# Altium PCB PCB1.PcbDoc
Units mil, origin at the board's own origin, x right, y up, seen from the top; angles counter-clockwise.
Board outline 2055 x 3030 mil, 2 copper layers (Top Layer, Bottom Layer); 48 components, 36 nets, 177 pads, 48 vias.
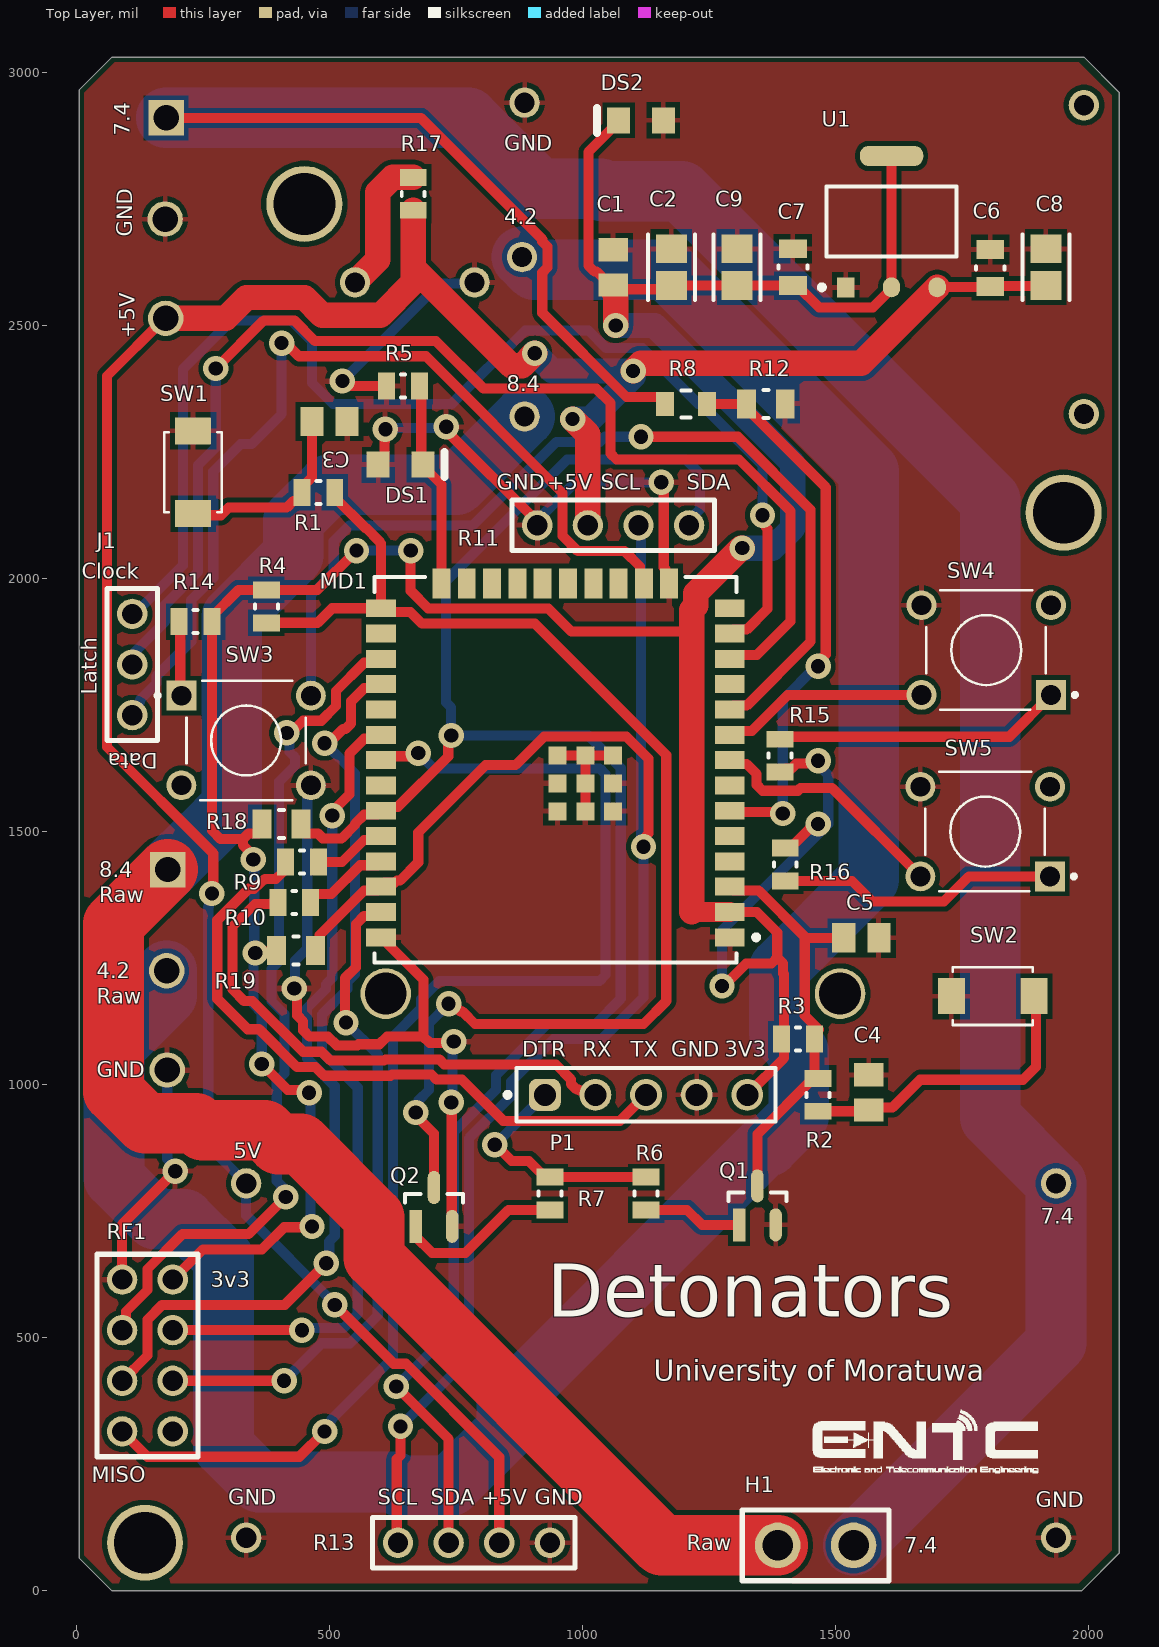
[diagram p0: Top Layer view]
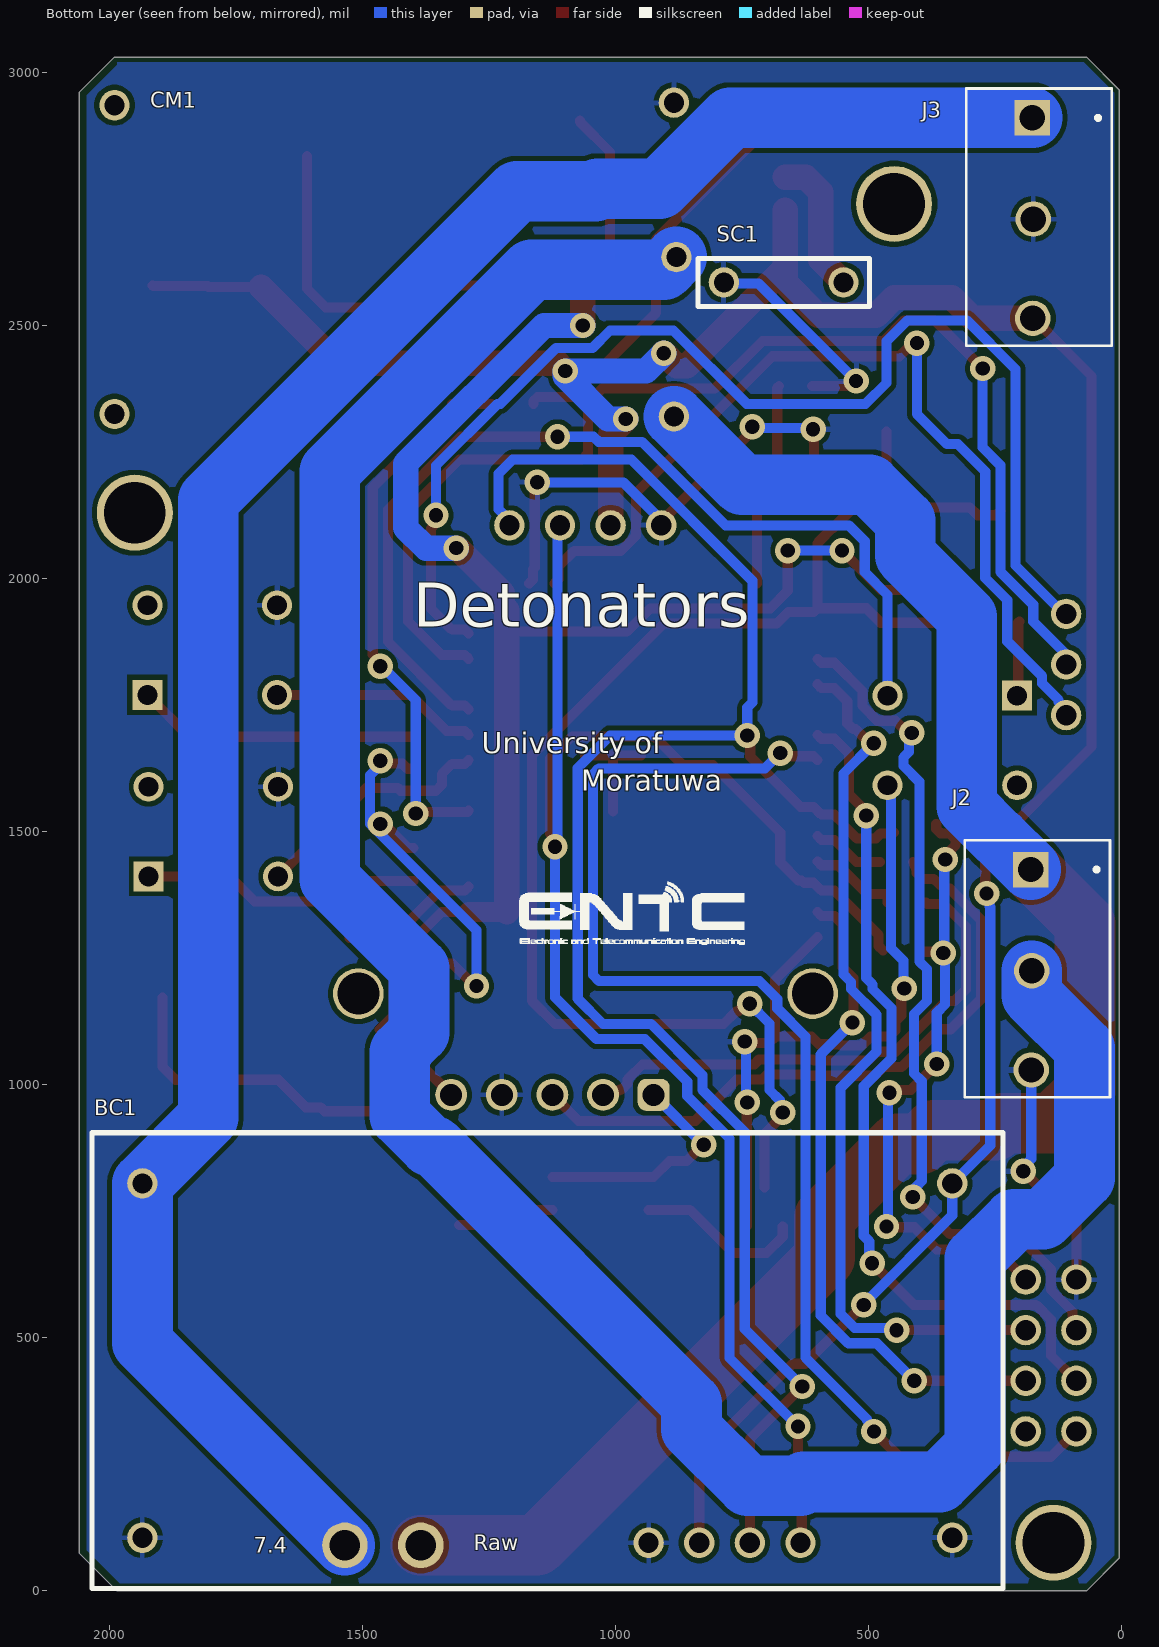
[diagram p1: Bottom Layer view, seen from below]
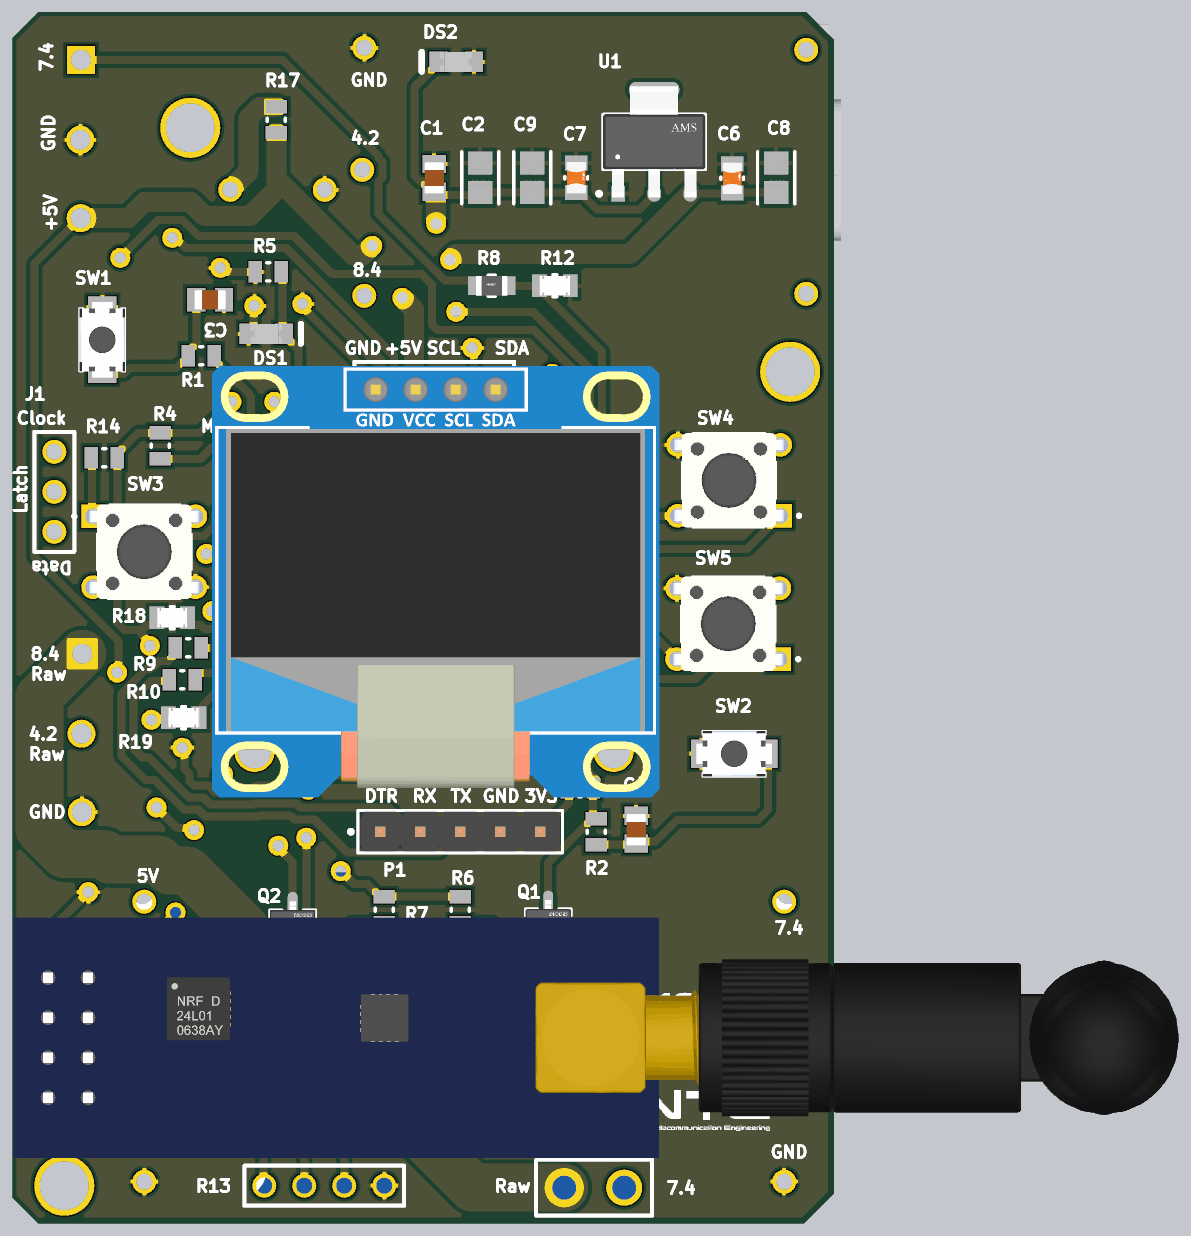
[diagram p2: 3D render of the assembled board from above, using the file's embedded part models]
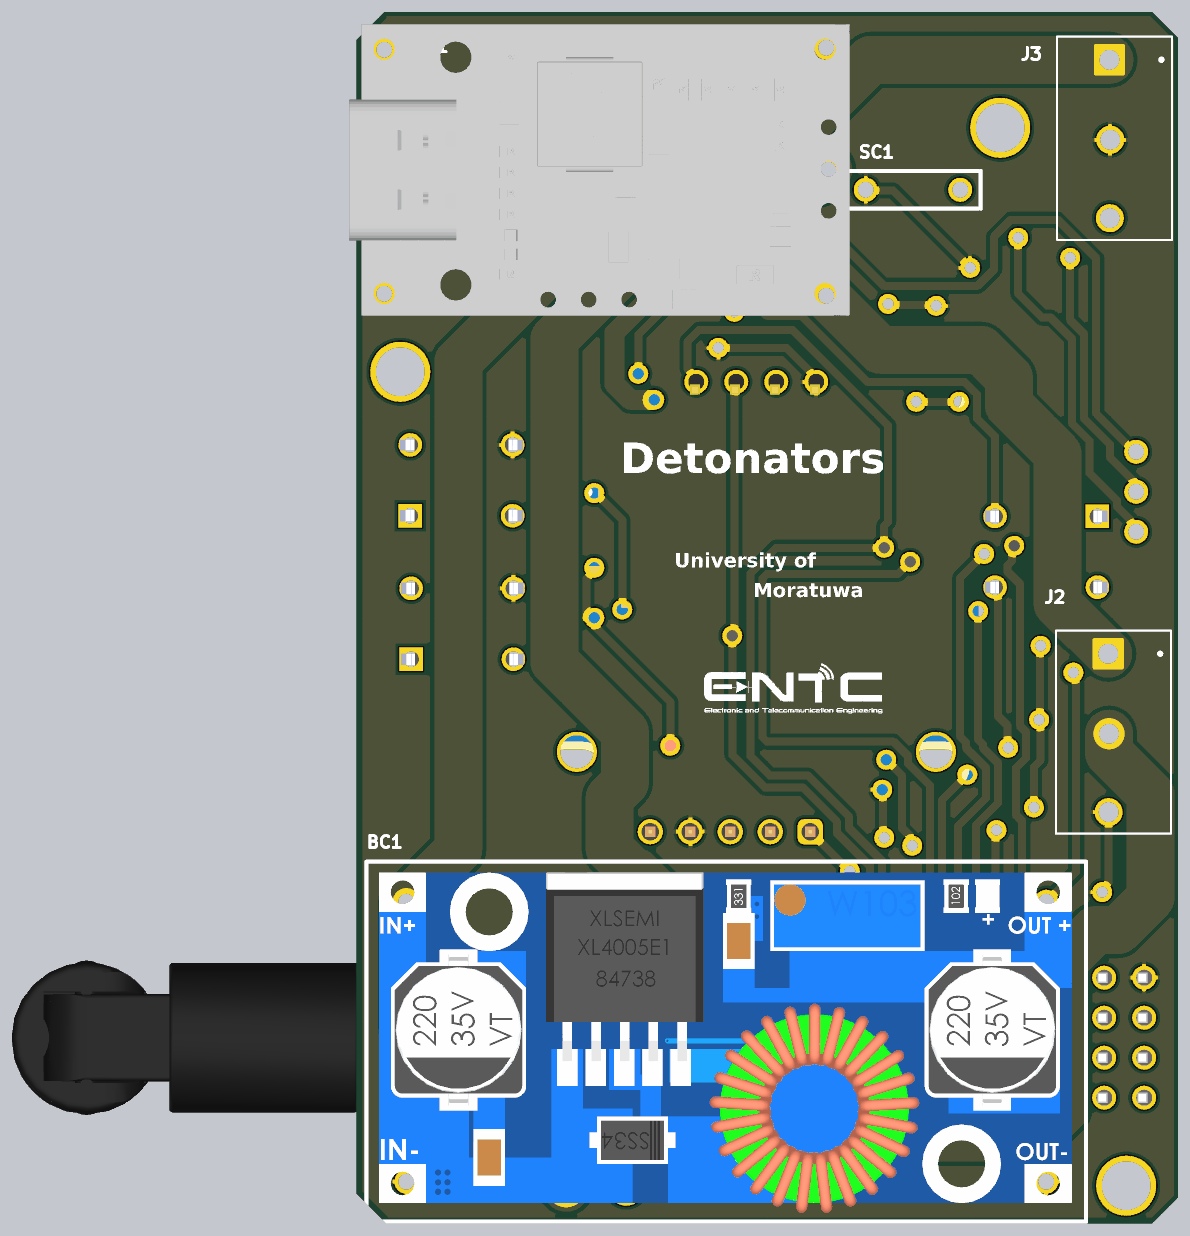
[diagram p3: 3D render of the assembled board from below, using the file's embedded part models]

## Layer stack, top to bottom
Top Solder: solder mask 0.4, Solder Resist, Dk 3.5
Top Layer: signal copper 1.4
Dielectric 1: dielectric 12.6, FR-4, Dk 4.8
Bottom Layer: signal copper 1.4
Bottom Solder: solder mask 0.4, Solder Resist, Dk 3.5

## Board outline
5,65 5,2965 70,3030 1990,3030 2060,2960 2060,75 1985,0 70,0

## Design rules (kind name [scope] priority, off if disabled: settings)
Clearance [All] p1: gap=10 ignorepadtopadclearanceinfootprint=TRUE except(8: Fill-Hole Poly-Hole Region-Hole)
Height [All] p1: minheight=0 maxheight=10000 prefheight=500
HoleSize [All] p1: absolutevalues=TRUE maxlimit=125.98 minlimit=0.98 maxpercent=80.000 minpercent=20.000
PolygonConnect [All] p1: connectstyle=Relief reliefconductorwidth=10 reliefentries=4 polygonreliefangle="90 Angle" airgapwidth=10
RoutingVias [All] p1: holewidth=28 width=50 viastyle="Through Hole" minholewidth=28 minwidth=50 maxholewidth=28 maxwidth=50
SilkToSolderMaskClearance [IsPad] p1: minsilkscreentomaskgap=7 clearancetoexposedcopper=TRUE
SolderMaskExpansion [All] p1: expansion=4 istentingtop=FALSE
SupplyNets "Schematic Supply Nets_5" [InNet('+3.3')] p1: voltage=0.000
SupplyNets "Schematic Supply Nets_4" [InNet('8.4 Raw')] p2: voltage=0.000
SupplyNets "Schematic Supply Nets_3" [InNet('+5')] p3: voltage=0.000
SupplyNets "Schematic Supply Nets_2" [InNet('GND')] p4: voltage=0.000
SupplyNets "Schematic Supply Nets_1" [InNet('+7.4')] p5: voltage=0.000
SupplyNets "Schematic Supply Nets" [InNet('4.2 Raw')] p6: voltage=0.000
Width [All] p1: maxlimit=120 minlimit=10 preferedwidth=50 minimp=50.000000 maximp=50.000000 favimp=50.000000
27 further rules are at their usual default settings.

## Components (designator, comment, footprint, x,y, rotation, side; value= is the part's Value field where it differs from the comment)
BC1 "Buck Converter" "Buck Converter" 1935,805 r180 bottom locked
C1 "100 uF" "0805 CAP" 1060,2614.75 r270 top
C2 "1 uF" FP-CL21-IPC_A 1175,2615 r90 top
C3 "1 nF" "0805 CAP" 499.65,2310 r180 top
C4 "1 nF" "0805 CAP" 1565,985 r270 top
C5 "1 nF" "0805 CAP" 1550.32,1290 r180 top
C6 "0.1 uF" FP-CC0805-0_85-MFG 1805,2613.58 r90 top value="100 nF"
C7 "0.1 uF" FP-CC0805-0_85-MFG 1415,2615 r90 top value="100 nF"
C8 "10 uF" FP-CL21-IPC_A 1915,2615 r90 top
C9 "10 uF" FP-CL21-IPC_A 1305,2615 r90 top
CM1 "Charging Module" "2S Charging Module" 820,2630 r0 bottom locked
DS1 "Green LED" DIAL-0805-2_V 640,2225 r180 top
DS2 "Power LED" DIAL-0805-2_V 1115,2905 r0 top
H1 "Power Switch Connection" "2 Pin Header L" 1385,90 r0 top
J1 "595 connection" "3 pin header" 110,1730 r180 top
J2 "Battery Direct Connection" "3 pin connector" 175,1240 r270 bottom
J3 "3 pin connector" "3 pin connector" 172,2725 r270 bottom
MD1 "ESP32-WROOM-32U (16MB)" FP-ESP32-WROOM-32U_16MB-MFG 945.94,1622.28 r180 top locked
P1 "61300511121" 61300511121 1125,980 r0 top
Q1 "S8050" FP-SOT23-IPC_A 1345,761.55 r90 top
Q2 "S8050" FP-SOT23-IPC_A 706.02,758.45 r90 top
R1 "470R" RESC2013X50X30LL20T20 477.48,2170 r180 top
R2 "470R" RESC2013X50X30LL20T20 1465,980 r270 top
R3 "12K" RESC2013X50X30LL20T20 1425,1090 r0 top
R4 "5.1K" RESC2013X50X30LL20T20 375,1945 r270 top
R5 "5.1K" RESC2013X50X30LL20T20 645,2380 r0 top
R6 "1K" RESC2013X50X30LL20T20 1125,785 r270 top
R7 "1K" RESC2013X50X30LL20T20 935,785 r270 top
R8 "100K" FP-RC0805-0_6-MFG 1203.66,2345 r0 top
R9 "470R" RESC2013X50X30LL20T20 445,1440 r180 top
R10 "470R" RESC2013X50X30LL20T20 430,1360 r180 top
R11 "OLED" OLED 910,2105 r90 top
R12 "47K" FP-CRCW0805-e3-MFG 1361.61,2345 r0 top
R13 "RTC" RTC 635,95 r90 top
R14 "12K" RESC2013X50X30LL20T20 235,1915 r0 top
R15 "12K" RESC2013X50X30LL20T20 1390,1650 r270 top
R16 "12K" RESC2013X50X30LL20T20 1400,1435 r90 top
R17 "10R" RESC2013X50X30LL20T20 665,2760 r270 top
R18 "47K" FP-CRCW0805-e3-MFG 405,1515 r0 top
R19 "47K" FP-CRCW0805-e3-MFG 433.39,1265 r0 top
RF1 "NRF2401" NRF2401 90,615 r0 top locked
SC1 "Super Capacitor" "Super Capacitor" 550,2585 r0 bottom
SW1 "SW" "smd push button 2" 230,2210 r90 top
SW2 "SW" "smd push button 2" 1810,1175 r180 top
SW3 "Long pushbutton" "TH PB" 335,1680 r0 top
SW4 "Long pushbutton" "TH PB" 1797.05,1858.58 r180 top
SW5 "Long pushbutton" "TH PB" 1795,1500 r180 top
U1 "AMS1117-3.3" FP-AMS1117-IPC_C 1610,2705 r90 top

## Footprints (in the part's own frame and the unit in brackets; to place one, negate y for a bottom-side part, rotate by r counter-clockwise, add the part's x,y. Pads: shape width x height; smd on the part's side, far side on the other; paste and mask are expansions set on the pad)
"2 Pin Header L" [mil]
  round 90 hole 60: 1(0,0) 2(150,0)
  silkscreen extent -70,-70 220,70
"2S Charging Module" [mil]
  round 60 hole 40: 1(65,310) 2(60,-5) 3(65,-310) 4(1170,-305) 5(1170,305)
  body extent 6,-369 1257,360, height 166
"3 pin connector" [mil]
  rect 70x70 hole 50: 1(-185,-5)
  round 70 hole 50: 2(15,-3) 3(211,-4)
  silkscreen extent -243,-136 265,152, body extent -282,-172 320,136, height 394
"3 pin header" [mil]
  round 60 hole 40: 1(0,0) 2(0,-100) 3(0,-200)
  silkscreen extent -50,-250 50,50
"0805 CAP" [mm]
  rect 1.16x1.47 smd: 1(-0.88,0) 2(0.88,0)
  body extent -1,-0.63 1,0.63, height 0.94
61300511121 [mm] "Pin Header, pitch 2.54 mm, THT, Vertical, single row, 5p"
  rrect50% 1.6x1.6 hole 1.1: 1(-5.08,0)
  round 1.6 hole 1.1: 2(-2.54,0) 3(0,0) 4(2.54,0) 5(5.08,0)
  silkscreen extent -7.07,-1.35 6.5,1.35, body extent -6.35,-1.27 6.35,1.27, height 8.57
"Buck Converter" [mil]
  round 60 hole 40: 1(0,0) 2(0,-700) 3(1600,0) 4(1600,-700)
  silkscreen extent -100,-800 1700,100, body extent -68,-778 1664,74, height 569
DIAL-0805-2_V [mm] "LED, 2-Leads, Body 2x1.25mm"
  rect 1.15x1.3 smd: 1(-1.125,0) 2(1.125,0)
  silkscreen extent -2.2,-0.63 -2.2,0.63, body extent -1.03,-0.63 1.03,0.64, height 0.71
FP-AMS1117-IPC_C [mm]
  rect 1.004x0.872 smd paste+0 mask+0: 1(-3.295,2.29)
  rrect100% 1.004x0.872 smd paste+0 mask+0: 2(-3.295,0) 3(-3.295,-2.29)
  rrect87% 1.004x3.182 smd paste+0 mask+0: 4(3.295,0)
  silkscreen extent -3.42,-3.25 1.75,3.62, body extent -3.9,-3.35 3.9,3.35, height 0.25
FP-CC0805-0_85-MFG [mm]
  rect 0.95x1.4 smd paste+0 mask+0: 1(-0.925,0) 2(0.925,0)
  silkscreen extent -0.08,-0.72 0.08,0.72, body extent -1.6,-1.05 1.6,1.05, height 0.25
FP-CL21-IPC_A [mil]
  rect 57.27x61.27 smd paste+0 mask+0: 1(-36.45,0) 2(36.45,0)
  silkscreen extent -65,-46 65,46, body extent -85,-50 85,50, height 10
FP-CRCW0805-e3-MFG [mm]
  rect 0.95x1.45 smd paste+0 mask+0: 1(-0.975,0) 2(0.975,0)
  silkscreen extent -0.13,-0.7 0.13,0.7, body extent -1.55,-0.82 1.55,0.82, height 0.25
FP-ESP32-WROOM-32U_16MB-MFG [mm]
  rect 1.5x0.9 smd paste+0 mask+0: 1(-8.75,8.41) 2(-8.75,7.14) 3(-8.75,5.87) 4(-8.75,4.6) 5(-8.75,3.33) 6(-8.75,2.06) 7(-8.75,0.79) 8(-8.75,-0.48) 9(-8.75,-1.75) 10(-8.75,-3.02) 11(-8.75,-4.29) 12(-8.75,-5.56) 13(-8.75,-6.83) 14(-8.75,-8.1) 25(8.75,-8.1) 26(8.75,-6.83) 27(8.75,-5.56) 28(8.75,-4.29) 29(8.75,-3.02) 30(8.75,-1.75) 31(8.75,-0.48) 32(8.75,0.79) 33(8.75,2.06) 34(8.75,3.33) 35(8.75,4.6) 36(8.75,5.87) 37(8.75,7.14) 38(8.75,8.41)
  rect 0.9x1.5 smd paste+0 mask+0: 15(-5.71,-9.35) 16(-4.44,-9.35) 17(-3.17,-9.35) 18(-1.9,-9.35) 19(-0.63,-9.35) 20(0.64,-9.35) 21(1.91,-9.35) 22(3.18,-9.35) 23(4.45,-9.35) 24(5.72,-9.35)
  rect 0.9x0.9 smd paste+0 mask+0: 39(-2.9,2.09) 39(-2.9,-0.71) 39(-2.9,0.69) 39(-1.5,2.09) 39(-1.5,-0.71) 39(-1.5,0.69) 39(-0.1,2.09) 39(-0.1,0.69) 39(-0.1,-0.71)
  silkscreen extent -10.2,-9.67 9.08,9.67, body extent -9.6,-10.2 9.6,9.77, height 0.25
FP-RC0805-0_6-MFG [mm]
  rect 0.9x1.2 smd paste+0 mask+0: 1(-1.05,0) 2(1.05,0)
  silkscreen extent -0.23,-0.67 0.23,0.67, body extent -1.6,-0.77 1.6,0.77, height 0.25
FP-SOT23-IPC_A [mm]
  rect 1.659x0.627 smd paste+0 mask+0: 1(-0.977,0.915)
  rrect100% 1.659x0.627 smd paste+0 mask+0: 2(-0.977,-0.915) 3(0.977,0)
  silkscreen extent 0.23,-1.45 0.65,1.45, body extent -2.31,-1.95 2.31,1.95, height 0.25
NRF2401 [mil]
  round 60 hole 40: 1(0,0) 2(0,-100) 3(0,-200) 4(0,-300) 5(100,0) 6(100,-100) 7(100,-200) 8(100,-300)
  silkscreen extent -50,-350 150,50, body extent -82,-450 2830,150, height 3661
OLED [mil]
  round 60 hole 40: 1(0,0) 2(0,-100) 3(0,-200) 4(0,-300)
  round 100 hole 82.68: 5(-925.2,299.21) 6(-925.2,-598.43)
  silkscreen extent -50,-350 50,50, body extent -1039,-713 39,406, height 318
RESC2013X50X30LL20T20 [mm] "Chip Resistor, 2-Leads, Body 2.00x1.25mm, IPC High Density"
  rect 0.85x1.35 smd: 1(-0.825,0) 2(0.825,0)
  silkscreen extent -0.1,-0.58 0.1,0.58, body extent -1.1,-0.72 1.1,0.72, height 0.5
RTC [mil]
  round 60 hole 40: 1(0,0) 2(0,-100) 3(0,-200) 4(0,-300)
  silkscreen extent -50,-350 50,50
"smd push button 2" [mm]
  rect 1.35x1.8 smd: 1(-2.075,0) 2(2.075,0)
  silkscreen extent -2,-1.45 2,1.45, body extent -2.4,-1.45 2.4,1.45, height 2
"Super Capacitor" [mil]
  round 60 hole 40: 1(0,0) 2(236.22,0)
  silkscreen extent -51,-47 287,47, body extent -4,-414 232,452, height 1024
"TH PB" [mm]
  rect 1.498x1.498 / inner round 1.498 / far side rect 1.498x1.498 hole 0.99: 1(-3.25,2.25)
  round 1.498 hole 0.99: 2(3.25,2.25) 3(-3.25,-2.25) 4(3.25,-2.25)
  silkscreen extent -4.54,-3 3,3, body extent -3.9,-3 3.9,3, height 5.01

## Part data
C1: library part "0805 cap", "10000 pF Â±5% 16V Ceramic Capacitor X7R 0805 (2012 Metric)", JLC=C141660, Package="2012 AVX", Check_prices=https://www.snapeda.com/parts/0805YC103J4T2A/AVX/view-part/?ref=eda, MF=AVX, MP=0805YC103J4T2A, SnapEDA_Link=https://www.snapeda.com/parts/0805YC103J4T2A/AVX/view-part/?ref=snap
C2: library part CMP-13271-002975-1, "CL21 Series 0805 10uF 25V ±10% Tolerance X5R Multilayer Ceramic Chip Capacitor", Capacitance=10uF, Case Code (Imperial)=0805, Case Code (Metric)=2012, Dielectric=X5R, JLC=C28323, Max Operating Temperature=85°C, Min Operating Temperature=-55°C, Package Quantity=1, Tolerance=10%, Voltage Rating=25V, Case/Package=0805, Depth=1.25mm, Height=1.25mm, Length=2mm, Mount="Surface Mount", Packaging="Tape and Reel", Radiation Hardening=No, Thickness=0.057inch, Width=0.049inch
C3 C4 C5: library part "0805 cap", "10000 pF Â±5% 16V Ceramic Capacitor X7R 0805 (2012 Metric)", JLC=C1791, Package="2012 AVX", Check_prices=https://www.snapeda.com/parts/0805YC103J4T2A/AVX/view-part/?ref=eda, MF=AVX, MP=0805YC103J4T2A, SnapEDA_Link=https://www.snapeda.com/parts/0805YC103J4T2A/AVX/view-part/?ref=snap
C6 C7: library part CMP-2100-03606-3, "CAP CER 0.1UF 50V X7R 0805", Capacitance="100 nF", JLC=C49678, Manufacturer=Yageo, Manufacturer Part Number=CC0805KRX7R9BB104, Package=CC0805-0.85, Temperature="-30°C to +85°C", Temperature Characteristic=X7R, Temperature Range High=+85°C, Temperature Range Low=-30°C, Tolerance=0.1, Voltage Rating="50 V", Automotive=No, Category=Cap, ComponentLink2Description=Datasheet, ComponentLink2URL=http://www.yageo.com/documents/recent/UPY-GPHC_Y5V_6.3V-to-50V_8.pdf, Device Class L1="Passive Components", Device Class L2=Capacitors, Device Class L3="Ceramic Capacitors", Digikey Description="CAP CER 0.1UF 50V X7R 0805", Footprint Url=http://www.yageo.com/exep/pages/download/literatures/UPY-C_GEN_24.pdf, Height=0.95mm, Ipc Land Pattern Name=CAPC200125X85, Lead Free=Yes, Material=Ceramic, Mouser Description="Multilayer Ceramic Capacitors MLCC - SMD/SMT 100nF 50V X7R 10%", Octopart=https://octopart.com/cc0805krx7r9bb104-yageo-192993, RoHS=TRUE
C8 C9: library part CMP-13271-002975-1, "CL21 Series 0805 10uF 25V ±10% Tolerance X5R Multilayer Ceramic Chip Capacitor", Capacitance=10uF, Case Code (Imperial)=0805, Case Code (Metric)=2012, Dielectric=X5R, JLC=C15850, Max Operating Temperature=85°C, Min Operating Temperature=-55°C, Package Quantity=1, Tolerance=10%, Voltage Rating=25V, Case/Package=0805, Depth=1.25mm, Height=1.25mm, Length=2mm, Mount="Surface Mount", Packaging="Tape and Reel", Radiation Hardening=No, Thickness=0.057inch, Width=0.049inch
CM1: library part "2S Charging module"
DS1 DS2: library part CMP-2000-05655-1, "Single Color, 2 V, -30 to 85 degC, 2-Pin SMD (0805), RoHS, Tape and Reel", Emitting Color=YellowGreen, Forward Current=25mA, Forward Voltage=2.4V, JLC=C2297, Manufacturer=Dialight, Operating Temp Range=-30Cto85C, Operating Temperature Classification=Commercial, Package Description="2-Pin Surface Mount Device, Body 2 x 1.25 mm", Package Reference=0805, Package Type=SMD, Power Dissipation=60W, Reverse Voltage=5V, Test Current (It)=20mA, Chip Material=GaP, Datasheet URL=https://datasheet.ciiva.com/22748/1484480-22748121.pdf, Datasheet Version=10/2008, DELETED=Compliant, Dominant Wave Length=570nm, High Brightness=No, Lens Dimensions=1.4x1.25x0.4mm, Lum Intensity=20mcd, Luminous Intensity=20mcd, Main Category=ChipLED, Manufacturer URL=http://www.dialight.com/, Mounting=SurfaceMount, Mounting Technology=SurfaceMount, Number of  Elements=1, Packaging=TapeandReel, Pin Count=2, Product Depth (mm)=1.25mm, Product Height (mm)=0.7mm, Product Length (mm)=2mm, Rad Hardened=No, Shape Type=Rectangular, Type=Uni-Color, Viewing Angle=140deg
H1: library part "2 pin header"
J1: library part "3 pin header", "3P,STRAIGHT,SIDE ENTRY,3.5MM", Package=None, Availability=Unavailable, MF="TE Connectivity", MP=1546551-3, Price=None, SnapEDA_Link=https://www.snapeda.com/parts/1546551-3/TE%20Connectivity%20AMP%20Connectors/view-part/2360652/?ref=snap
J2: library part "3 pin connector", "3P,STRAIGHT,SIDE ENTRY,3.5MM", Package=None, Availability=Unavailable, MF="TE Connectivity", MP=1546551-3, Price=None, SnapEDA_Link=https://www.snapeda.com/parts/1546551-3/TE%20Connectivity%20AMP%20Connectors/view-part/2360652/?ref=snap
J3: "3P,STRAIGHT,SIDE ENTRY,3.5MM", Package=None, Availability=Unavailable, MF="TE Connectivity", MP=1546551-3, Price=None, SnapEDA_Link=https://www.snapeda.com/parts/1546551-3/TE%20Connectivity%20AMP%20Connectors/view-part/2360652/?ref=snap
MD1: library part CMP-194065-000029-1, "RX TXRX MODULE WIFI U.FL SMD", Case/Package=SMD/SMT, Frequency=2.5GHz, JLC=C328062, Max Operating Temperature=85°C, Min Operating Temperature=-40°C, Data Rate=150Mbps, Interface=I2C, Memory Size=536KB, Mount="Surface Mount", Packaging="Tape and Reel", Sensitivity=-98dBm
P1: library part CMP-1502-01068-3, Color=Black, Contact Resistance=20mΩ, Current Rating=3A, Max Operating Temperature=105°C, Min Operating Temperature=-40°C, Operating Supply Voltage=250V, Connector Type="Male Pin", Contact Material=Copper, Contact Mating Length=5.9944mm, Contact Plating=Gold, Gender=Male, Height=8.89mm, Lead Free="Lead Free", Lead Pitch=2.54mm, Mount="Through Hole", NexarPartId=32855526, Number of Contacts=5, Number of Pins=5, Number of Positions=5, Number of Rows=1, Orientation=Vertical, Packaging=Bulk, Pitch=2.54mm, REACH SVHC=Unknown, RoHS=Compliant, Termination=Solder, Voltage Rating=250V
Q1 Q2: library part CMP-2000-04931-2, "TRANS NPN 40V 0.2A SMD SOT23-3", Case/Package=SOT-23, Collector Base Voltage (VCBO)=60V, Collector Emitter Breakdown Voltage=40V, Collector Emitter Saturation Voltage=300mV, Continuous Collector Current=200mA, Emitter Base Voltage (VEBO)=6V, Frequency=300MHz, JLC=C2146, Max Operating Temperature=150°C, Max Power Dissipation=300mW, Min Operating Temperature=-55°C, Package Quantity=3000, Power Dissipation=350mW, Collector Emitter Voltage (VCEO)=40V, Contact Plating=Tin, Element Configuration=Single, Gain Bandwidth Product=300MHz, Height=1mm, hFE Min=100, Lead Free="Lead Free", Length=3.05mm, Max Breakdown Voltage=40V, Max Collector Current=200mA, Max Frequency=300MHz, Mount="Surface Mount", Number of Elements=1, Number of Pins=3, Packaging="Tape and Reel", Polarity=NPN, Radiation Hardening=No, REACH SVHC="No SVHC", Transition Frequency=300MHz, Voltage Rating (DC)=40V, Weight=0.000282oz, Width=1.4mm
R1 R2 R9 R10: library part CMP-2001-04896-1, JLC=C17710, Manufacturer="Vishay Dale", Part Number=CRCW08050000Z0EA
R3 R14 R15 R16: library part CMP-2001-04896-1, JLC=C17444, Manufacturer="Vishay Dale", Part Number=CRCW08050000Z0EA
R4 R5: library part CMP-2001-04896-1, JLC=C27834, Manufacturer="Vishay Dale", Part Number=CRCW08050000Z0EA
R6 R7: library part CMP-2001-04896-1, JLC=C17513, Manufacturer="Vishay Dale", Part Number=CRCW08050000Z0EA
R8: library part CMP-03412-037835-1, "RES SMD 100K OHM 5% 1/8W 0805", Case Code (Imperial)=0805, Case Code (Metric)=2012, JLC=C149504, Max Operating Temperature=155°C, Max Power Dissipation=125mW, Min Operating Temperature=-55°C, Resistance=100kR, Resistance Tolerance=5%, Resistor Type="Thick Film", Temperature Coefficient=100ppm/°C, Voltage Rating=150V, Case/Package=0805, Construction=Rectangular, Contact Plating=Tin, Depth=1.25mm, Features="Moisture Resistant", Lead Free="Lead Free", Length=2mm, Military Standard=Not, Number of Terminations=2, Packaging="Tape and Reel", Power Rating=125mW, Radiation Hardening=No, RoHS Compliant=Yes, Series=RC, Size Code=0805, Termination=SMD/SMT, Tolerance=5%
R12 R18 R19: library part CMP-2001-03939-2, "RES Thick Film, 47kΩ, 1%, 0.125W, 100ppm/°C, 0805", Case Code (Imperial)=0805, Case Code (Metric)=2012, JLC=C17713, Max Operating Temperature=155°C, Max Power Dissipation=125mW, Min Operating Temperature=-55°C, Package Quantity=10, Resistance=47kR, Temperature Coefficient=100ppm/°C, Tolerance=1%, Voltage Rating=150V, Case/Package=0805, Composition="Thick Film", Contact Plating=Tin, Depth=1.25mm, Features="Automotive AEC-Q200", Height=0.45mm, Lead Free="Lead Free", Length=2mm, Military Standard=Not, Number of Terminations=2, Packaging="Tape and Reel", Power Rating=125mW, Radiation Hardening=No, Termination=SMD/SMT, Voltage Rating (DC)=150V, Weight=0.000194oz, Width=1.25mm, Working Voltage=150V
R17: library part CMP-2001-04896-1, JLC=C17415, Manufacturer="Vishay Dale", Part Number=CRCW08050000Z0EA
RF1: library part nrf2401
SW1 SW2: library part "push button smd"
SW3 SW4 SW5: library part "TH PB", "Switch Push Button OFF (ON) SPST Round Button 0.05A 24VDC Momentary Contact PC Pins Thru-Hole", Package=None, Check_prices=https://www.snapeda.com/parts/1825910-6/TE+Connectivity+ALCOSWITCH+Switches/view-part/?ref=eda, Digi-Key_Part_Number=450-1650-ND, MF="TE Connectivity", MP=1825910-6, Purchase-URL=https://pricing.snapeda.com/search/part/1825910-6/?ref=eda, SnapEDA_Link=https://www.snapeda.com/parts/1825910-6/TE+Connectivity+ALCOSWITCH+Switches/view-part/?ref=snap
U1: library part CMP-209535-000001-1, "LDO Voltage Regulators 1A, 3.3V", Dropout Voltage=1.1V, JLC=C6186, Manufacturer="Advanced Monolithic Systems", Max Junction Temp=+125°C, Max Power Dissipation=1.2W, Max Supply Voltage=15V, Nominal Supply Current=5mA, Output Current=1A, Output Voltage=3.3V, Package=AMS1117, Temperature="-40°C to +125°C", Temperature Range Low=-40°C, Automotive=No, Category=IC, ComponentLink2Description=Datasheet, ComponentLink2URL=http://www.advanced-monolithic.com/pdf/ds1117.pdf, Device Class L1="Integrated Circuits (ICs)", Device Class L2="Power Management ICs", Device Class L3="Voltage Regulators - Linear", Height=1.8mm, Ipc Land Pattern Name=SOT229P700X180-4, Lead Free=Yes, Manufacturer Part Number=AMS1117-3.3, Number Of Outputs=1, Octopart=https://octopart.com/ams1117-3.3-advanced+monolithic+systems-25899300, Output Type=Fixed, RoHS=TRUE, Standoff Height=0.64mm, Temperature Range High=+125°C

## Free pads (board coordinates)
  round 150 hole 122.05: 1(1950,2130) 2(135,95) 3(450,2740)

## Via types
v1: diameter 50, hole 28, Top Layer to Bottom Layer, 48 vias

## Nets (pads, with @x,y where several pads share a name; then routed paths per layer and width w, separated by ;. In a path a pad name is that pad's centre, name@x,y a point inside that pad or via, vN(x,y) a via of type N, cw(c..) or ccw(c..) an arc to the next point about the centre after c; other vN are vias at no path point)
"4.2 Raw": CM1.2 J2.2 | length 4829
  Bottom Layer w120: J2.2 178,1176.49 74,1072.49 74,815.65 155.65,734 212.42,734 290,656.42 290,285.29 360.29,215 628.22,215 635.32,207.91 738.87,207.91 850,319.04 850,370 1358.5,878.5 1367.04,878.5 1426.5,937.96 1426.5,1064.7 1388.43,1102.77 1388.43,1229.51 1565,1406.08 1565,2211.15 1166.15,2610 905,2610 CM1.2
"8.4 Raw": CM1.1 H1.1 J2.1 | length 3547.9
  Top Layer w120: J2.1 73,1318 73,986.51 135.51,924 235.35,924 249.35,910 371.42,910 398.84,882.58 442.92,882.58 587.66,737.84 587.66,658.35 1156.01,90 H1.1
  Bottom Layer w120: J2.1 242.6,1487.6 243.93,1487.6 306.54,1550.21 306.54,1924.3 428.07,2045.84 428.07,2114.71 498.37,2185 750,2185 CM1.1
+3.3: C1.2 C2.1 C7.1 C9.1 DS2.1 MD1.2 P1.5 R3.1 R4.1 R14.2 R15.2 R16.2 R18.1 R19.1 RF1.5 U1.2 U1.4 | length 6996.3
  Top Layer w20: RF1.5 249.68,674.68 366.3,674.68 410,718.38 463.38,718.38 v1(465,720) ; R14.2 267.48,1501.97 284.46,1485 328.39,1485 ; R14.2@267.48,1924.84 320.12,1977.48 R4.1 475.55,1977.48 v1(553.07,2055) ; v1(348.91,1444.89) 348.91,1453.01 328.39,1473.53 328.39,1485 ; v1(352.82,1260) 355.32,1262.5 392.5,1262.5 R19.1 ; v1(365.75,1040.75) 416.64,989.87 453.6,989.87 v1(459.34,984.13) ; R18.1 366.61,1505.16 357.91,1496.46 339.84,1496.46 328.39,1485 ; v1(660,2055) 660,1975.61 694.75,1940.87 931.94,1940.87 977.81,1895 1215,1895 ; C1.2 1053.9,2580.1 1027.44,2606.56 1022.78,2606.56 1011.06,2618.28 1011.06,2842.4 1070.71,2902.05 DS2.1 ; C1.2@1067.03,2571.53 1167.97,2571.53 C2.1 C9.1 C7.1 1423.86,2578.58 1466.93,2535.51 1572.83,2535.51 1610,2572.67 U1.2 U1.4 ; v1(1275,1195) 1278.4,1195 1322.66,1239.26 1372.78,1239.26 1384.26,1250.74 ; MD1.2 1343.82,1341.18 1384.26,1300.74 1384.26,1250.74 ; P1.5 1397.52,1052.52 1397.52,1218.28 1395.74,1220.06 1395.74,1239.26 1384.26,1250.74 ; R16.2 1409.84,1467.48 1457.36,1515 v1(1465,1515) ; R15.2@1400,1622.52 1401.73,1624.25 1411.57,1624.25 1421.58,1634.26 1459.26,1634.26 v1(1465,1640)
  Top Layer w40: 1215,1341.18 MD1.2
  Top Layer w50: C1.2@1061.76,2564.5 1065,2561.26 v1(1065,2500) ; 1215,1341.18 1215,1895 1215,1937.9 1223.46,1946.37 1223.46,1970.95 1312.51,2060 v1(1315,2060)
  Bottom Layer w20: v1(348.91,1444.89) 350.87,1442.93 350.87,1261.96 v1(352.82,1260) ; v1@349.49,1260 349.49,1158.39 365.75,1142.13 v1(365.75,1040.75) ; v1(459.34,984.13) 462.17,981.3 462.17,722.83 v1(465,720) ; v1(553.07,2055) v1(660,2055) ; v1(1275,1195) 1275,1305 v1@1475,1505 ; v1(1465,1515) v1@1475,1505 ; v1(1465,1640) 1465,1631.88 1485,1611.88 1485,1515 v1@1475,1505
  Bottom Layer w50: v1(1065,2500) 1141.8,2500 1415,2226.8 1415,2100.15 1374.85,2060 v1(1315,2060)
+5: BC1.3 C6.1 C8.1 J3.3 R11.2 R13.3 R17.2 U1.3 | length 5320.6
  Top Layer w20: J3.3@174,2514 60,2400 60,1667.03 270,1457.03 270,1380.65 v1(267.18,1377.82) ; v1(510,565) 626.42,448.58 650.69,448.58 835,264.27 R13.3 ; U1.3 1701.1,2576.22 1804.06,2576.22 C6.1 1805.69,2577.86 1914.31,2577.86 C8.1
  Top Layer w50: J3.3@174,2514 294.54,2514 335.54,2555 450.27,2555 485.27,2520 600,2520 665,2585 665,2614.3 ; R17.2 665,2614.3 ; v1(905,2445) 880,2420 859.3,2420 679.65,2599.65 665,2614.3 ; v1(980,2315) 1010,2285 R11.2 ; v1(1099.52,2410) 1114.52,2425 1549.88,2425 U1.3
  Bottom Layer w20: v1(267.18,1377.82) 261.43,1372.08 261.43,1352.54 260,1351.11 260,880 342.65,797.35 335,789.69 335,741.77 510,566.77 v1(510,565)
  Bottom Layer w50: v1(905,2445) 940,2410 v1(1099.52,2410) 1099.52,2399.52 1015,2315 v1(980,2315)
+7.4: BC1.1 H1.2 J3.1 R8.1 | length 5541.3
  Top Layer w20: J3.1 680,2910 920,2670 920,2665.71 930,2655.71 930,2614.29 920,2604.29 920,2525 1086.38,2358.62 1154.61,2358.62 1162.32,2350.91 R8.1
  Bottom Layer w120: J3.1 773.58,2910 913.58,2770 1035.62,2770 1040.62,2765 1195,2765 1805,2155 1805,935 BC1.1 1935,490 H1.2
Clock: J1.3 MD1.13 | length 2381.6
  Top Layer w20: MD1.13 1298.15,1898.9 1323.68,1898.9 1365,1940.22 1365,2098.28 1360.74,2102.54 1360.74,2119.26 v1(1355,2125)
  Bottom Layer w20: J1.3 114.24,1930 210,2025.76 210,2413.64 306.36,2510 423.64,2510 465,2468.64 465,2386.36 506.36,2345 741.36,2345 886.36,2490 1011.36,2490 1046.36,2455 1118.16,2455 1228.16,2345 1233.16,2345 1355,2223.16 v1(1355,2125)
Data: J1.1 MD1.16 | length 1846.7
  Top Layer w20: v1(405,2465) 413.12,2465 439.12,2439 690.07,2439 960,2169.07 960,2084.29 990.33,2053.96 1082.71,2053.96 1113.03,2023.64 1113.03,1998.11 MD1.16
  Bottom Layer w20: J1.1 110,1740.82 124.93,1755.75 124.93,1759.93 157.56,1792.56 157.56,1806.85 226.54,1875.82 226.54,1957.44 270,2000.9 270,2211.51 323.87,2265.39 345.39,2265.39 405,2325 v1(405,2465)
DTR: P1.1 R6.1 R7.1 | length 465
  Top Layer w20: v1(826.16,881.45) 827.23,881.45 859.43,849.26 893.38,849.26 925.16,817.48 R7.1 R6.1
  Bottom Layer w20: v1(826.16,881.45) 826.45,881.45 P1.1
EN: C5.2 MD1.3 Q1.3 R2.1 R3.2 | length 821.4
  Top Layer w20: MD1.3 1298.15,1383.46 1347.46,1383.46 1438.43,1292.5 ; Q1.3 1345,902.32 1455.16,1012.48 R2.1 1464.21,1012.48 1457.48,1019.21 R3.2 ; R3.2@1466.26,1108.74 1438.43,1136.58 1438.43,1292.5 ; C5.2@1525.63,1290 1440.93,1290 1438.43,1292.5
GND: BC1.2 BC1.4 C1.1 C2.2 C3.1 C4.1 C5.1 C6.2 C7.2 C8.2 C9.2 CM1.3 DS1.2 DS2.2 J2.3 J3.2 MD1.1 MD1.15 MD1.38 MD1.39 P1.4 Q1.2 Q2.2 R5.1 R11.1 R12.2 R13.4 RF1.1 SC1.2 SW1.2 SW2.2 SW3.4 SW4.4 SW5.4 U1.1 | length 3512.5
  Top Layer w20: RF1.1 90,724 v1(195,829) ; v1(430,1190) 435.74,1184.26 435.74,1136.88 447.62,1125 447.62,1107.38 460,1095 496.36,1095 513.71,1077.65 554.77,1077.65 557.12,1080 598.17,1080 613.17,1095 685,1095 ; v1(525,2390) 533.12,2390 543.12,2380 R5.1 ; DS1.2 608.35,2237.64 608.35,2270.23 609.26,2271.14 609.26,2294.26 v1(610,2295) ; MD1.38 685,1207.64 685,1095 ; v1(730.32,2299.68) 730.32,2292.18 910,2112.5 R11.1 ; v1@734.26,970.74 741.15,963.85 741.15,720.9 Q2.2 ; v1(745,1085) 742.62,1082.62 697.38,1082.62 685,1095 ; MD1.39@949.88,1650.24 MD1.39@1005,1650.24 ; MD1.39@1005,1540 1005,1595.12 MD1.39@1005,1650.24 ; MD1.39@1060.12,1650.24 MD1.39@1005,1650.24 ; v1(1155,2190) 1160,2185 1160,2021.64 1163.03,2018.61 1163.03,1998.11 MD1.15
  Bottom Layer w20: J2.3 179,853.12 195,837.12 v1(195,829) ; v1(430,1190) 431.54,1191.54 431.54,1245 455.74,1269.2 455.74,1584.2 SW3.4 ; v1(525,2390) 718.1,2583.1 784.32,2583.1 SC1.2 ; v1(610,2295) 612.34,2297.34 727.99,2297.34 v1(730.32,2299.68) ; v1(740,965) 742.5,967.5 742.5,1082.5 v1(745,1085) ; R11.1 910,2115 985,2190 v1(1155,2190)
IDDown: MD1.8 SW5.2 | length 488.4
  Top Layer w20: MD1.8 1298.15,1633.46 1323.68,1633.46 1343.43,1613.72 1343.43,1592.5 1355.14,1580.79 1424.86,1580.79 1429.86,1585.79 1492.68,1585.79 SW5.2
IDUp: MD1.9 SW4.2 | length 411.3
  Top Layer w20: MD1.9 1298.15,1698.9 1333.9,1698.9 1405,1770 SW4.2
IO0: MD1.25 Q2.3 R1.1 R4.2 | length 2546.2
  Top Layer w20: R4.2 476.28,1912.52 504.94,1941.18 MD1.25 ; R1.1 509.96,2160.16 570.12,2100 571.71,2100 598.07,2073.64 598.07,2072.05 601.46,2068.66 MD1.25 ; v1(670,945) 670,939.27 706.02,903.24 Q2.3 ; v1(735,1160) 743.12,1160 758.86,1144.26 762.66,1144.26 786.92,1120 1120,1120 1165,1165 1165,1651.5 905.63,1910.87 682.32,1910.87 659.72,1933.46 609.17,1933.46 MD1.25
  Bottom Layer w20: v1(670,945) 675.74,950.74 675.74,969.28 696.02,989.56 696.02,1121.02 v1(735,1160)
Latch: J1.2 MD1.12 | length 2391
  Top Layer w20: v1(275,2415) 370,2510 430.03,2510 471.03,2469 710.11,2469 804.11,2375 1026.86,2375 1055,2346.86 1055,2246.72 1066.72,2235 1308.64,2235 1410,2133.64 1410,1915 1343.9,1848.9 1298.15,1848.9 MD1.12
  Bottom Layer w20: J1.2@110,1850 175,1915 175,1948.33 240,2013.33 240,2223.94 275,2258.94 v1(275,2415)
MISO: MD1.31 RF1.4 | length 2621.8
  Top Layer w20: RF1.4 140,265 440,265 v1(490,315) ; MD1.31 609.17,1648.9 660.78,1648.9 666.88,1655 v1(675,1655)
  Bottom Layer w20: v1(490,315) 490,323.12 503.49,336.61 503.49,339.29 625,460.8 625,1095 680.79,1150.79 680.79,1169.43 716.36,1205 1033.28,1205 1045,1216.72 1045,1613.28 1033.28,1625 705,1625 v1(675,1655)
MOSI: MD1.37 RF1.7 | length 1327.1
  Top Layer w20: RF1.7 v1(410,415) ; v1(532.35,1122.65) 530,1125 530,1210.16 551.93,1232.09 551.93,1317.18 568.21,1333.46 593.74,1333.46 MD1.37
  Bottom Layer w20: v1(410,415) 484.21,489.21 540.27,489.21 595,543.93 595,1060 v1(532.35,1122.65)
NetC3_2: C3.2 R1.2 SW1.1 | length 351.3
  Top Layer w20: SW1.1@240,2133.31 248.31,2125 285,2125 300,2140 415,2140 428.43,2153.43 438.27,2153.43 445,2160.16 R1.2 ; R1.2@445,2179.84 465.04,2199.88 C3.2@465.04,2290
NetC4_2: C4.2 R2.2 SW2.1 | length 603.1
  Top Layer w20: R2.2 1575,947.52 1582.64,955.16 1612.22,955.16 1666.71,1009.65 1869.65,1009.65 1895,1035 SW2.1@1895,1171.89
NetDS1_1: DS1.1 MD1.24 R5.2 | length 407.5
  Top Layer w20: R5.2 680.89,2376.59 680.89,2225.45 720.75,2185.59 MD1.24
NetMD1_34: MD1.34 R9.1 | length 145.2
  Top Layer w20: R9.1 524.21,1440 567.68,1483.46 593.74,1483.46 MD1.34
NetMD1_35: MD1.35 R10.1 | length 178.4
  Top Layer w20: R10.1 462.48,1369.84 469.21,1376.57 503.21,1376.57 560.1,1433.46 593.74,1433.46 MD1.35
NetQ1_1: Q1.1 R6.2 | length 196.2
  Top Layer w20: R6.2 1206.03,752.52 1235.45,723.09 Q1.1
NetQ2_1: Q2.1 R7.2 | length 334
  Top Layer w20: Q2.1 670,699.69 702.34,667.35 767.8,667.35 852.97,752.52 R7.2
NetR14_1: R14.1 SW3.1 | length 148.3
  Top Layer w20: R14.1 204.78,1912.74 204.78,1770.85 SW3.1
NetR15_1: R15.1 SW4.1 | length 559.2
  Top Layer w20: R15.1@1400,1687.48 1842.48,1687.48 SW4.1
NetR16_1: R16.1 SW5.1 | length 560.3
  Top Layer w20: R16.1 1531.76,1402.52 1572.36,1361.93 1713.17,1361.93 1762.65,1411.42 SW5.1
NetR17_1: R17.1 SC1.1 | length 279
  Top Layer w50: SC1.1 595,2630 595,2763.19 624.29,2792.48 R17.1
nrf_CE: MD1.27 RF1.2 | length 1705.3
  Top Layer w20: RF1.2 97.65,522.65 97.65,551.94 140,594.29 140,635.71 208.97,704.68 339.68,704.68 v1(413.08,778.08) ; v1(415,1695) 423.12,1695 447.21,1719.09 483.45,1719.09 512.44,1748.08 512.44,1777.69 568.21,1833.46 593.74,1833.46 MD1.27
  Bottom Layer w20: v1(413.08,778.08) 407.34,783.82 407.34,797.66 395.32,809.68 395.32,1006.69 410.75,1022.11 410.75,1139.56 385,1165.31 385,1228.54 400,1243.54 400,1598.45 431.55,1630 431.55,1646.57 420.74,1657.38 420.74,1689.26 v1(415,1695)
nrf_CSN: MD1.28 RF1.6 | length 1772.6
  Top Layer w20: RF1.6 v1(445,515) ; v1(490.06,1674.58) 498.18,1674.58 526.01,1702.41 530.73,1702.41 542.44,1714.13 542.44,1757.69 568.21,1783.46 593.74,1783.46 MD1.28
  Bottom Layer w20: v1(445,515) 449.21,519.21 527.85,519.21 555.53,546.89 555.53,994 485,1064.53 485,1138.93 535,1188.93 535,1203.01 550,1218.01 550,1614.64 v1(490.06,1674.58)
RX: P1.2 R10.2 | length 1033.9
  Top Layer w20: R10.2@387.52,1360 384.61,1357.09 352.5,1357.09 307.82,1312.41 307.82,1188.39 331.21,1165 347.57,1165 447.57,1065 483.93,1065 501.29,1047.65 607.65,1047.65 610,1050 716.36,1050 726.36,1040 947.05,1040 976.5,1010.56 976.5,1001.9 988.21,990.18 991.61,990.18 993.56,988.23 1016.77,988.23 P1.2
SCK: MD1.30 RF1.3 | length 1690.3
  Top Layer w20: RF1.3 140,465 140,535.71 169.29,565 411.26,565 v1(493.33,647.08) ; v1(505,1531.51) 505,1539.62 538.83,1573.45 538.83,1654.08 568.21,1683.46 593.74,1683.46 MD1.30
  Bottom Layer w20: v1(493.33,647.08) 499.07,652.82 499.07,690.43 510,701.36 510,997.11 455,1052.11 455,1151.36 492.58,1188.94 492.58,1198.16 505,1210.58 v1(505,1531.51)
SCL: MD1.36 R11.3 R13.1 R19.2 | length 3350.1
  Top Layer w20: R19.2 480.47,1273.7 480.47,1295.72 568.21,1383.46 593.74,1383.46 609.17,1398.9 628.13,1398.9 632.7,1403.46 639.27,1403.46 675,1439.2 675,1498.28 808.17,1631.46 867.38,1631.46 923.88,1687.95 1086.12,1687.95 1130,1644.07 1130,1496.72 1125.74,1492.46 1125.74,1475.74 v1(1120,1470) ; R13.1 632.5,97.5 632.5,260 640,267.5 v1(640,325)
  Bottom Layer w20: v1(640,325) 775,460 775,893.93 858.71,977.65 858.71,1006.29 942.43,1090 1037.43,1090 1120,1172.57 v1(1120,1470) 1115,1475 1115,2100 R11.3
SDA: MD1.33 R11.4 R13.2 R18.2 | length 3609.1
  Top Layer w20: R18.2@450,1498.54 452.09,1496.46 476.41,1496.46 486.29,1486.57 502.5,1486.57 502.57,1486.51 523.64,1486.51 550,1512.87 550,1515.25 568.21,1533.46 593.74,1533.46 609.17,1548.9 634.7,1548.9 734.26,1648.46 734.26,1684.26 v1(740,1690) ; v1(631.42,403.58) 735,300 R13.2
  Bottom Layer w20: v1(631.42,403.58) 745,517.16 745,906.36 828.71,990.07 828.71,1018.71 930,1120 1025,1120 1075,1170 1075,1625.71 1010.71,1690 v1(740,1690) 740,1745 730,1755 730,1995.71 969.29,2235 1203.28,2235 1231.41,2206.87 1231.41,2136.72 1210,2115.3 R11.4
Sync: MD1.10 SW3.2 | length 1886.7
  Top Layer w20: v1(1115,2280) 1306.07,2280 1450,2136.07 1450,1875.22 1323.68,1748.9 1298.15,1748.9 MD1.10
  Bottom Layer w20: SW3.2 462.95,1967.58 508.07,2012.7 508.07,2073.64 539.43,2105 783.14,2105 948.14,2270 1033.64,2270 1043.64,2280 v1(1115,2280)
TX: P1.3 R9.2 | length 1314.5
  Top Layer w20: R9.2 405.79,1423.43 405.79,1418.29 394.07,1406.57 372.5,1406.57 350.73,1387.09 342.65,1387.09 340.08,1387.09 277.82,1324.84 277.82,1169.75 338.11,1109.47 360.68,1109.47 435.15,1035 471.51,1035 486.51,1020 487.11,1020 489.46,1017.65 620.37,1017.65 622.73,1020 701.07,1020 711.07,1010 761.25,1010 842.75,928.5 1073.5,928.5 P1.3
V_Measure: MD1.6 R8.2 R12.1 | length 1097.4
  Top Layer w20: R8.2 R12.1 1323.23,2335.16 1331.93,2326.46 1333.54,2326.46 1480,2180 1480,1849.7 1465,1834.7 v1(1465,1826.58) ; MD1.6 1293.13,1538.48 1392.3,1538.48 v1(1395,1535.79)
  Bottom Layer w20: v1(1395,1535.79) 1395,1760.07 1461.51,1826.58 v1(1465,1826.58)
pads on no net: CM1.4 CM1.5 MD1.4 MD1.5 MD1.7 MD1.11 MD1.14 MD1.17 MD1.18 MD1.19 MD1.20 MD1.21 MD1.22 MD1.23 MD1.26 MD1.29 MD1.32 R11.5 R11.6 RF1.8 SW3.3 SW4.3 SW5.3

## Polygon pours and split planes (outlines as drawn)
GND on Top Layer "NONET_L-01_P-001" (solid, remove dead copper, pour order 0): 15,2960 75,3020 1980,3020 2045,2955 2045,80 1980,15 70,15 15,70
GND on Bottom Layer "NONET_L-01_P-001" (solid, pour order 1): 15,2960 75,3020 1985,3020 1985,3015 2045,2955 2045,80 1980,15 70,15 15,70

## Silkscreen, mask and mechanical layers (free items; w line width, h text height)
Top Overlay:
  drawing of 32 lines, arcs and shapes, not listed
  text "7.4" at 105,2875 h30 r90
  text "GND" at 845,2845 h30
  text "4.2" at 845,2700 h30
  text "GND" at 110,2675 h30 r90
  text "+5V" at 115,2475 h30 r90
  text "8.4" at 850,2370 h30
  text "GND" at 830,2175 h30
  text "+5V" at 930,2175 h30
  text "SCL" at 1035,2175 h30
  text "SDA" at 1205,2175 h30
  text "Clock" at 10,2000 h30
  text "Latch" at 40,1770 h30 r90
  text "Data" at 160,1655 h30 r180
  text "8.4" at 45,1410 h30
  text "Raw" at 45,1360 h30
  text "4.2" at 40,1210 h30
  text "Raw" at 40,1160 h30
  text "DTR" at 880,1055 h30
  text "RX" at 1000,1055 h30
  text "TX" at 1095,1055 h30
  text "GND" at 1175,1055 h30
  text "3V3" at 1280,1055 h30
  text "GND" at 40,1015 h30
  text "5V" at 310,855 h30
  text "7.4" at 1905,725 h30
  text "3v3" at 265,600 h30
  text "Detonators" at 929.89,506.8 h180
  text "University of Moratuwa" at 1140.04,400.97 h70
  text "MISO" at 30,215 h30
  text "GND" at 300,170 h30
  text "SCL" at 595,170 h30
  text "SDA" at 700,170 h30
  text "+5V" at 800,170 h30
  text "GND" at 905,170 h30
  text "GND" at 1895,165 h30
  text "Raw" at 1205,80 h30
  text "7.4" at 1635,75 h30
Bottom Overlay:
  drawing of 32 lines, arcs and shapes, not listed
  text "Detonators" at 1400.09,1876.5 h150
  text "University of" at 1264.96,1641.22 h70
  text "Moratuwa" at 1067.74,1566.67 h70
  text "Raw" at 1280,80 h30
  text "7.4" at 1715,75 h30
Board Shape:
  lines w10: 5,65 5,2955 5,2965 70,3030 1990,3030 2060,2960 2060,75 1985,0 70,0 5,65